# Altium PCB GZ7_1_x.PcbDoc (part 2 of 2)
Units mm, origin at the board's own origin, x right, y up, seen from the top; angles counter-clockwise.
Board outline 200 x 97.49 mm, 2 copper layers (Top Layer, Bottom Layer); 179 components, 149 nets, 560 pads, 111 vias.
Unrouted connection lines stored in the file: 122.
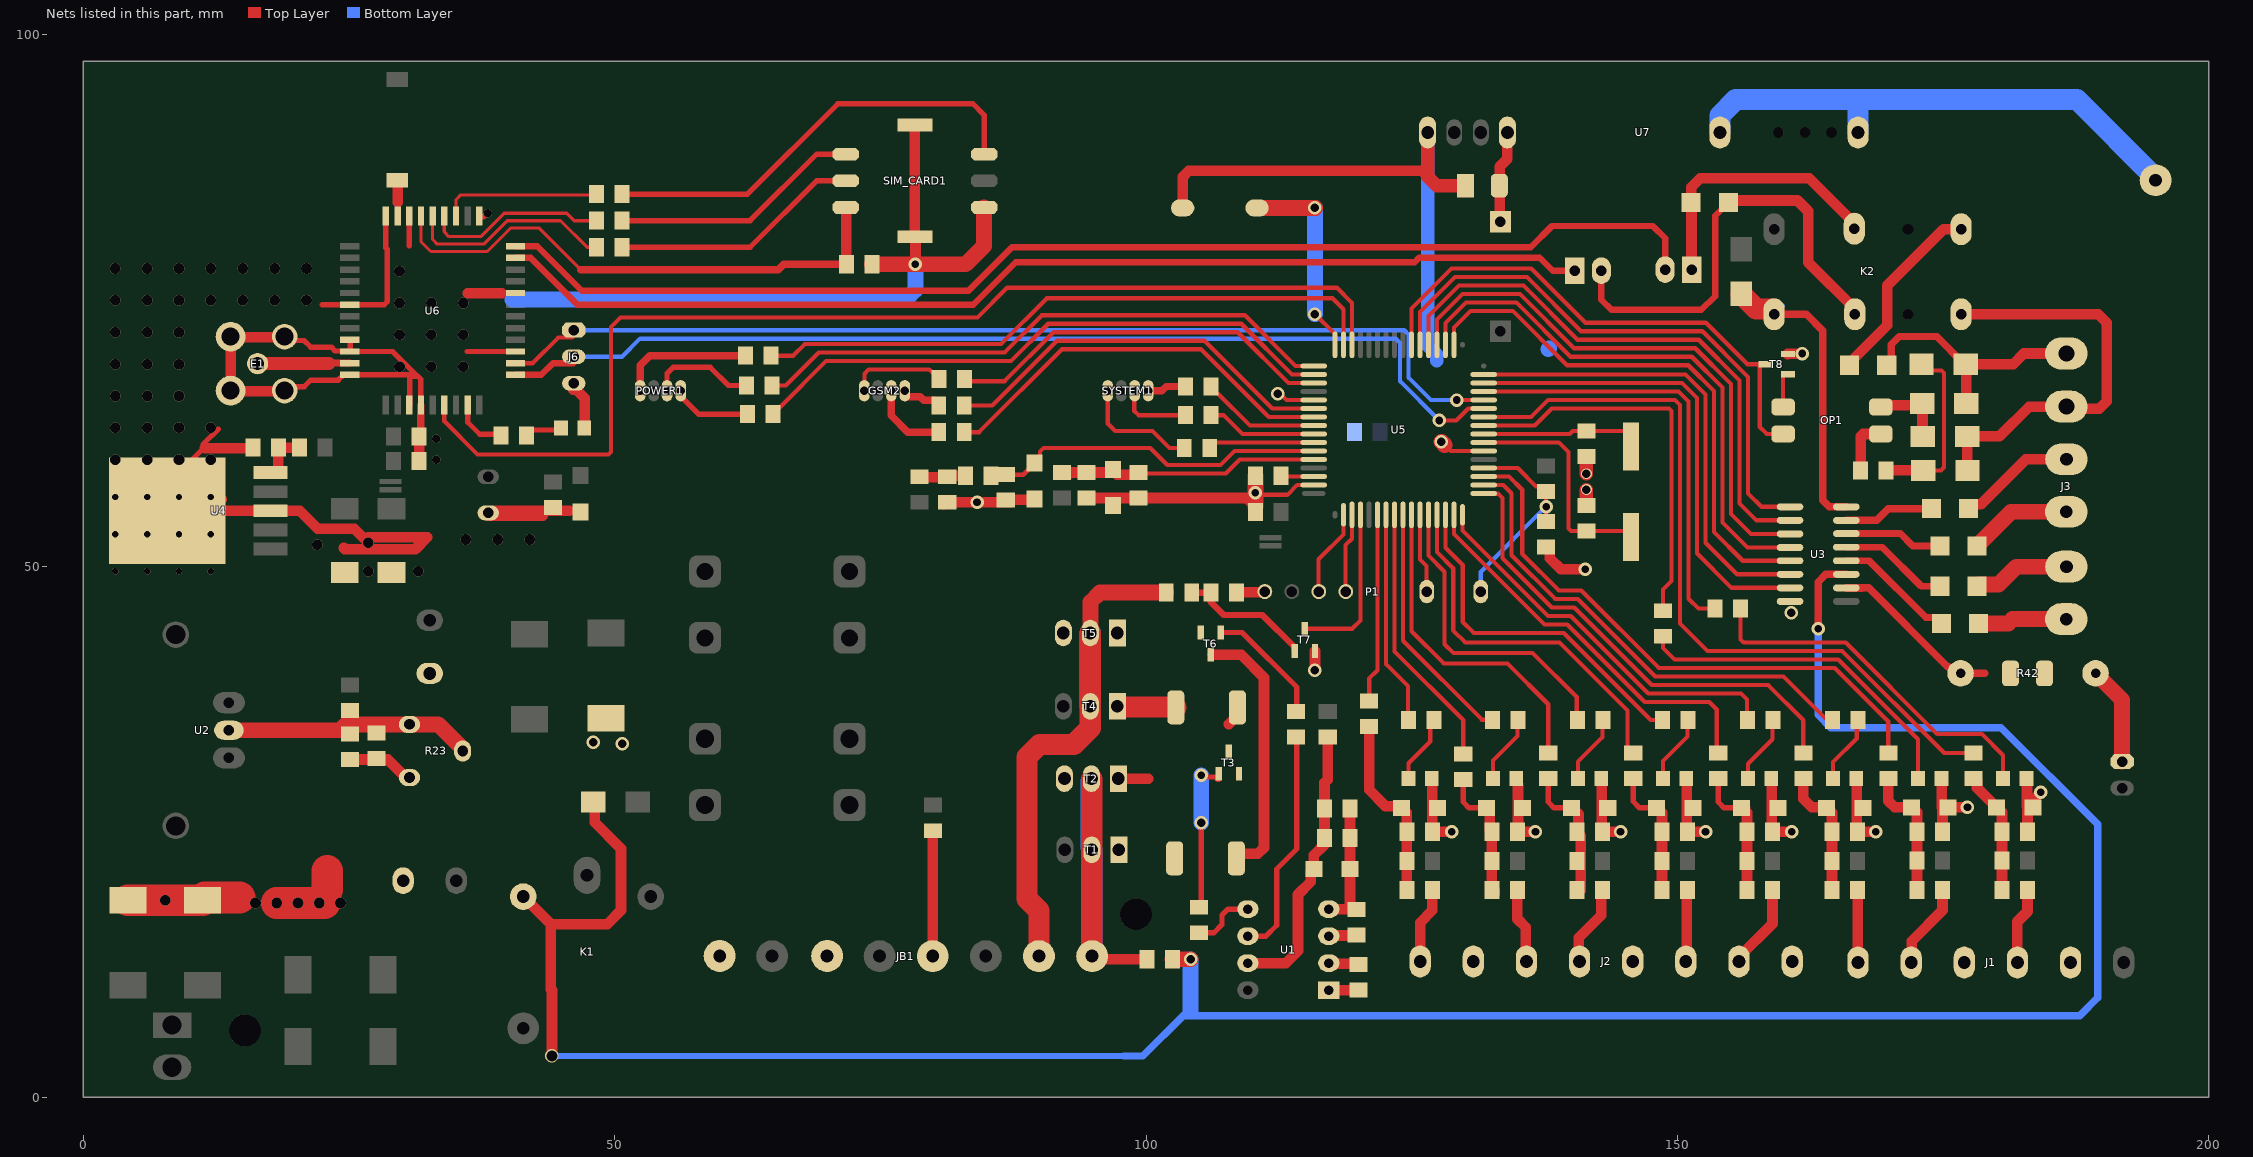
[diagram p2: the nets of this part, all layers, seen from the top]

## Via types
v1: diameter 1, hole 1, Top Layer to Bottom Layer, 43 vias
v2: diameter 1.27, hole 0.711, Top Layer to Bottom Layer, 26 vias
v3: diameter 0.6, hole 0.6, Top Layer to Bottom Layer, 12 vias
v4: diameter 1.27, hole 0.8, Top Layer to Bottom Layer, 10 vias
v5: diameter 1, hole 1, Top Layer to Bottom Layer, tented bottom, 9 vias
v6: diameter 0.8, hole 0.8, Top Layer to Bottom Layer, 3 vias
v7: diameter 1, hole 1, Top Layer to Bottom Layer, tented both sides, 2 vias
v8: diameter 1, hole 0.8, Top Layer to Bottom Layer, 2 vias
v9: diameter 1.27, hole 1, Top Layer to Bottom Layer, 2 vias
v10: diameter 1, hole 1, Top Layer to Bottom Layer, tented top, 2 vias

## Nets (pads, with @x,y where several pads share a name; then routed paths per layer and width w, separated by ;. In a path a pad name is that pad's centre, name@x,y a point inside that pad or via, vN(x,y) a via of type N, cw(c..) or ccw(c..) an arc to the next point about the centre after c; other vN are vias at no path point) (continued)
Fuz: C23.2 D18.2 R53.1 R54.2 U5.60 | length 24.5
  Top Layer w0.4: R53.1@92.163,58.732 R53.1@92.25,58.82 ; D18.2@96.9,59.695 97.3,59.695 D18.2@97.3,58.6 ; C23.2@99.3,58.795 99.4,58.695 107.5,58.695 108.825,60.02 U5.60@115.78,60.02
  Top Layer w1: R53.1@92.825,58.675 92.825,58.8 D18.2@97.2,58.8 ; D18.2@97.3,58.6 C23.2@98.65,58.6
GND: C1.1 C2.2 C3.1 C4.1 C5.1 C6.1 C7.1 C8.1 C9.1 C10.1 C11.1 C12.1 C13.1 C14.2 C15.2 C16.2 C17.2 C18.2 C19.2 C20.2 C21.2 C22.1 C23.1 C24.2 C25.2 C26.2 C27.2 C30.1 C31.2 C32.2 D3.1 D4.1 D5.1 D6.1 D7.1 D8.1 D9.1 D10.1 D11.1 D12.1 D13.1 D16.1 D17.1 D18.1 D19.1 E1.2 E1.3 E1.4 E1.5 GSM1.2 J1.3 J1.5 J2.2 J2.5 J2.8 J6.3 JB1.1 JB1.3 JB1.5 P1.7 R21.1 R23.3 R30.1 R47.2 R52.1 R54.1 R59.1 SIM_CARD1.4 SIM_CARD1.9 SIM_CARD1.10 SW1.1 T2.3 T5.3 T7.2 T8.2 U1.4 U3.8 U4.0 U4.3 U5.22 U5.53 U5.63 U6.3 U6.8 U6.13 U6.19 U6.21 U6.27 U6.30 U6.31 U6.33 U6.36 U6.37 U7.9 Z1.2 Z2.2 Z3.2 Z4.2 Z5.2 Z6.2 Z7.2 Z8.2 | length 431
  Top Layer w0.4: v2(110.3,56.895) 110.466,56.728 110.936,56.728 110.969,56.695 113.3,56.695 114.225,57.62 U5.63@115.78,57.62 ; v4(112.4,66.195) 112.635,66.195 113.21,65.62 U5.53@115.78,65.62 ; 128.68,60.82 U5.22@131.78,60.82
  Top Layer w0.5: U4.0@7.18,56.295 7.18,57.37 7.612,57.37 11.287,61.045 11.287,61.477 12.705,62.895 ; U4.0@7.405,57.045 U4.0@7.671,57.311 ; R59.1@15.68,61.145 R59.1@15.955,61.145 ; E1.3@18.945,66.505 19.309,66.869 20.779,66.869 21.405,67.495 23.979,67.495 24.475,67.991 U6.33@25.075,67.991 25.079,67.995 31.305,67.995 29.109,70.191 U6.31@25.075,70.191 ; E1.4@18.945,71.585 19.309,71.221 20.779,71.221 21.405,70.595 23.35,70.595 23.704,70.241 25.025,70.241 U6.31@25.075,70.191 ; 22.48,74.595 22.48,74.591 U6.27@25.075,74.591 28.317,74.591 28.61,74.884 28.61,79.795 28.475,79.93 U6.21@28.475,82.941 ; U6.30@25.075,71.291 25.175,71.291 25.125,71.241 25.125,70.241 U6.31@25.075,70.191 ; U6.36@30.662,65.081 30.722,65.14 30.722,67.864 31.476,67.864 31.769,67.571 U6.37@31.769,65.141 ; 30.673,80.135 U6.19@30.673,82.85 ; 36.13,70.185 U6.3@40.802,70.185 ; U6.13@37.373,82.85 37.654,82.85 37.999,83.195 v6(38.08,83.195) ; 39.405,75.691 U6.8@40.675,75.691
  Top Layer w0.7: C27.2@31.769,62.485 U6.37@31.769,65.141
  Top Layer w1: U4.0@7.18,56.295 U4.0@13.005,56.295 ; U4.0@7.705,52.795 U4.0@12.005,52.795 ; 11.455,61.095 R59.1@15.818,61.095 ; v3(12.005,52.995) U4.0@12.005,53.667 ; 13.533,55.195 20.372,55.195 22.072,53.495 25.505,53.495 v10(26.805,52.195) ; R59.1@15.655,61.12 R59.1@15.68,61.145 ; E1.3@18.945,66.455 13.865,66.455 13.865,71.535 E1.4@18.945,71.535 ; 24.505,51.695 cw(c24.505,51.595) 24.605,51.595 31.255,51.595 32.355,52.695 v10@26.805,52.695 ; C13.1@25.1,31.795 28.638,31.795 30.338,30.095 R23.3@30.7,30.095 ; C25.2@31.605,59.895 C27.2@31.605,62.195 ; 36.179,75.669 39.383,75.669 ; C19.2@38.105,54.72 43.23,54.72 ; C19.2@38.105,54.995 38.513,54.995 38.709,55.191 45.725,55.191 ; J6.3@46.1,66.59 46.105,66.595 46.397,66.595 47.191,65.801 GSM1.2@47.191,62.995 ; SIM_CARD1.10@78.255,91.495 SIM_CARD1.9@78.255,80.995 78.305,80.945 v2@78.305,78.595 ; JB1.5@79.93,13.295 R21.1@79.93,24.645 ; R52.1@80.95,55.795 R52.1@81.15,55.995 ; R52.1@81.3,55.995 87.25,55.995 87.5,56.245 89.45,56.245 D19.1@89.5,56.295 ; R54.1@94.4,56.395 C23.1@98.75,56.395 ; C23.1@99.3,56.395 109.505,56.395 C20.2@110.3,55.6 ; SW1.1@103.45,83.695 103.45,86.609 104.036,87.195 125.95,87.195 126.505,86.64 ; R47.2@108.5,47.495 108.55,47.545 111.13,47.545 P1.7@111.18,47.595 ; v4(115.9,40.195) T7.2@115.9,41.995 ; U1.4@117.2,17.715 117.21,17.705 119,17.705 119.2,17.905 D5.1@119.2,21.495 C12.1@119.2,26.695 ; Z1.2@126.891,29.995 126.921,29.965 126.921,25.024 C6.1@126.95,24.995 v2(128.75,24.995) ; Z2.2@134.791,29.695 134.791,29.645 135,29.436 C7.1@135,24.995 ; Z2.2@134.791,29.995 Z2.2@134.796,29.999 ; C7.1@134.946,24.99 C7.1@134.95,24.995 ; C7.1@135,24.795 135,24.845 135.15,24.995 v2(136.65,24.995) ; C17.2@137.65,51.795 137.8,51.795 138,51.595 138,50.745 139.05,49.695 v2(141.35,49.695) ; Z3.2@142.841,29.995 142.896,29.94 142.896,25.049 C8.1@142.95,24.995 v2(144.65,24.995) ; Z4.2@150.841,29.995 150.896,29.94 150.896,25.049 C9.1@150.95,24.995 v2(152.65,24.995) ; Z5.2@158.841,29.995 158.896,29.94 158.896,25.049 C10.1@158.95,24.995 v2(160.75,24.995) ; T8.2@160.4,69.945 160.425,69.97 161.725,69.97 v2(161.75,69.995) ; Z6.2@166.841,29.995 166.896,29.94 166.896,25.049 C11.1@166.95,24.995 v2(168.65,24.995) ; Z7.2@174.841,29.995 174.896,29.94 D12.1@174.896,27.3 ; C4.1@174.95,24.995 D12.1@174.95,27.3 ; D12.1@175.15,27.3 175.153,27.297 177.297,27.297 v2(177.3,27.3) ; Z8.2@182.841,29.995 182.896,29.94 D13.1@182.896,27.45 ; C5.1@182.95,24.995 182.95,27.45 v2(184.2,28.7)
  Top Layer w1.27: U7.9@126.505,90.795 126.505,86.64 127.35,85.795 C31.2@129.305,85.795 ; C18.2@141.45,55.695 v8(141.45,57.2) ; v8(141.45,58.695) C26.2@141.45,60.295
  Top Layer w1.3: v2@78.248,78.395 78.248,78.538 v2@78.305,78.595
  Top Layer w1.5: C30.1@74.205,78.395 78.248,78.395 83.03,78.395 84.765,80.13 SIM_CARD1.4@84.765,83.745 ; C20.2@110.3,55.6 v2(110.3,56.895) 110.305,56.9 C24.2@110.305,58.495 ; v4(127.805,61.695) 128.105,61.395 v4@128.105,61.37
  Top Layer w2: D3.1@3.955,18.545 D3.1@4.205,18.545
  Top Layer w3: D3.1@4.205,18.545 D4.1@11.205,18.545 11.455,18.795 14.705,18.795 ; v1(18.205,18.295) v1(20.205,18.295) v1(22.205,18.295) 22.705,18.295 ; 22.955,19.545 22.955,21.295
  Bottom Layer w1.27: U7.9@126.505,90.795 126.505,70.74 127.35,69.895 127.35,69.295
  Bottom Layer w1.5: 40.4,75.095 77.421,75.095 78.3,75.974 v2(78.3,78.395) ; 137.85,70.395 137.905,70.45
  other v1: 16.205,18.295 24.205,18.295 7.705,18.545 31.505,49.495 22.005,51.995 36.005,52.495 39.005,52.495 42.005,52.495 3.005,59.995 6.005,59.995 9.005,59.995 12.005,59.995 3.005,62.995 6.005,62.995 9.005,62.995 12.005,62.995 29.755,68.745 32.755,68.745 35.755,68.745 29.755,71.745 32.755,71.745 35.755,71.745 29.755,74.745 32.755,74.745 35.755,74.745 3.005,74.995 6.005,74.995 9.005,74.995 12.005,74.995 15.005,74.995 18.005,74.995 21.005,74.995 29.755,77.745 3.005,77.995 6.005,77.995 9.005,77.995 12.005,77.995 15.005,77.995 18.005,77.995 21.005,77.995
  other v2: 84.1,55.995
  other v3: 3.005,49.495 6.005,49.495 9.005,49.495 12.005,49.495 3.005,52.995 6.005,52.995 9.005,52.995 3.005,56.495 6.005,56.495 9.005,56.495 12.005,56.495
  other v4: 50.7,33.295 48,33.395 160.7,45.595
  other v5: 3.005,65.995 6.005,65.995 9.005,65.995 3.005,68.995 6.005,68.995 9.005,68.995 3.005,71.995 6.005,71.995 9.005,71.995
  other v6: 33.2,59.995 33.2,61.995
  other v10: 26.805,49.495
IN-Z1: J2.1 R4.1 | length 7.2
  Top Layer w1: J2.1@125.8,12.795 125.8,16.445 126.95,17.595 R4.1@126.95,19.495
IN-Z2: J2.3 R5.1 | length 7.3
  Top Layer w1: R5.1@134.95,19.495 134.95,16.781 135.736,15.995 J2.3@135.736,12.489
IN-Z3: J2.4 R6.1 | length 7.9
  Top Layer w1: J2.4@140.736,12.489 140.736,15.031 142.85,17.145 142.85,19.395 R6.1@142.95,19.495
IN-Z4: J2.6 R7.1 | length 7.1
  Top Layer w1: J2.6@150.736,12.489 J2.6@150.736,12.795 ; J2.6@150.8,12.795 150.875,12.87 150.875,19.42 R7.1@150.95,19.495
IN-Z5: J2.7 R8.1 | length 8.3
  Top Layer w1: J2.7@155.736,12.489 155.736,13.131 158.95,16.345 R8.1@158.95,19.495
IN-Z6: J1.1 R9.1 | length 6.8
  Top Layer w1: R9.1@166.95,19.495 166.975,19.47 166.975,12.72 J1.1@167,12.695
IN-Z7: J1.2 R10.1 | length 8
  Top Layer w1: J1.2@172,12.695 172.05,12.745 172.05,14.695 174.95,17.595 R10.1@174.95,19.495
IN-Z8: J1.4 R11.1 | length 7.2
  Top Layer w1: J1.4@182,12.695 182,16.545 182.95,17.495 R11.1@182.95,19.495
LED_GSM_BLUE: R65.2 U5.54 | length 38
  Top Layer w0.4: R65.2@82.9,65.095 85.531,65.095 91.631,71.195 105.5,71.195 111.875,64.82 U5.54@115.78,64.82
LED_GSM_GREEN: R62.2 U5.55 | length 38.8
  Top Layer w0.4: R62.2@82.825,62.32 R62.2@82.9,62.32 ; R62.2@82.9,62.595 84.3,62.595 92.1,70.395 105.169,70.395 111.544,64.02 U5.55@115.78,64.02
LED_GSM_RED: R68.2 U5.51 | length 36.8
  Top Layer w0.4: R68.2@82.88,67.395 86.7,67.395 91.3,71.995 108.629,71.995 113.404,67.22 U5.51@115.78,67.22
LED_POWER_BLUE: R64.2 U5.50 | length 56.5
  Top Layer w0.4: R64.2@64.9,64.295 64.9,64.445 65.4,64.945 65.55,64.945 69.9,69.295 87.3,69.295 90.8,72.795 108.969,72.795 113.744,68.02 U5.50@115.78,68.02
LED_POWER_GREEN: R67.2 U5.49 | length 55.7
  Top Layer w0.4: R67.2@64.8,66.995 66.105,66.995 69.205,70.095 86.7,70.095 90.2,73.595 109.3,73.595 114.075,68.82 U5.49@115.78,68.82
LED_POWER_RED: R70.2 U5.47 | length 59.9
  Top Layer w0.4: R70.2@64.7,69.795 66.8,69.795 67.9,70.895 86.369,70.895 90.669,75.195 117.55,75.195 118.58,74.165 U5.47@118.58,70.82
LED_SYSTEM_BLUE: R66.2 U5.56 | length 11.3
  Top Layer w0.4: R66.2@106.1,66.895 106.1,66.745 106.6,66.245 106.75,66.245 109.775,63.22 111.375,63.22 U5.56@115.78,63.22
LED_SYSTEM_GREEN: R63.2 U5.57 | length 10.5
  Top Layer w0.4: R63.2@105.9,63.695 R63.2@105.966,63.761 ; R63.2@106.1,64.195 107.3,64.195 109.075,62.42 U5.57@115.78,62.42
LED_SYSTEM_RED: R58.2 U5.58 | length 10
  Top Layer w0.4: R58.2@106,61.095 106,61.12 106.5,61.62 U5.58@115.78,61.62
LED_Z1: R34.2 U5.7 | length 20.7
  Top Layer w0.4: U5.7@122.58,54.82 122.58,40.765 124.65,38.695 R34.2@124.65,34.995
LED_Z2: R35.2 U5.9 | length 23.7
  Top Layer w0.4: U5.9@124.18,54.82 124.18,42.965 131.601,35.544 132.05,35.544 132.55,35.044 R35.2@132.55,34.895
LED_Z3: R36.2 U5.12 | length 30.1
  Top Layer w0.4: U5.12@126.58,54.82 126.58,50.984 128.1,49.464 128.1,42.645 128.925,41.82 136.38,41.82 140.534,37.666 R36.2@140.534,34.911
LED_Z4: R37.2 U5.14 | length 33.4
  Top Layer w0.4: U5.14@128.18,54.82 128.18,51.715 129.8,50.095 129.8,44.745 130.85,43.695 139.305,43.695 147.5,35.5 R37.2@148.6,35.5
LED_Z5: R38.2 U5.16 | length 37.3
  Top Layer w0.4: U5.16@129.78,54.82 129.78,53.346 137.831,45.295 139.968,45.295 147.263,38 156,38 156.55,37.45 R38.2@156.55,34.995
LED_Z6: R39.2 U5.18 | length 45.5
  Top Layer w0.4: U5.18@131.78,57.62 133.621,57.62 134.4,56.841 134.4,51.014 138.519,46.895 140.631,46.895 147.925,39.6 159.995,39.6 R39.2@164.55,35.045
LED_Z7: R43.2 U5.25 | length 37.6
  Top Layer w0.4: U5.25@131.78,63.22 136.575,63.22 138.175,64.82 149.216,64.82 149.45,64.586 149.45,48.595 148.65,47.795 R43.2@148.65,45.795
LED_Z8: R45.2 U5.29 | length 41.1
  Top Layer w0.4: U5.29@131.78,66.42 138.944,66.42 150.105,66.42 151.05,65.475 151.05,46.926 151.981,45.995 R45.2@153.55,45.995
MISO: P1.5 U5.2 | length 8.2
  Top Layer w0.4: P1.5@116.24,47.595 116.24,50.63 118.58,52.97 U5.2@118.58,54.82
MOSI: P1.4 U5.3 | length 7.5
  Top Layer w0.4: P1.4@118.78,47.595 118.78,51.97 119.38,52.57 U5.3@119.38,54.82
NetANT1_1: ANT1.1 U7.1 U7.5 | length 49.7
  Bottom Layer w2: U7.5@154.005,90.795 154.005,92.4 155.5,93.895 167.2,93.895 ; U7.1@167.005,90.795 167.005,93.7 167.2,93.895 ; ANT1.1@195,86.295 195,86.495 187.6,93.895 167.2,93.895
NetC1_2: C13.2 R23.1 R23.2 R30.2 R41.1 U2.2 | length 23.4
  Top Layer w1.5: U2.2@13.705,34.545 19.455,34.545 22.205,34.545 24.2,34.545 24.75,35.095 R23.1@30.7,35.095 33.4,35.095 35.7,32.795 R23.2@35.7,32.595
NetC10_2: C30.2 SIM_CARD1.1 U6.18 | length 50.8
  Top Layer w0.3: U6.18@31.769,82.85 31.769,80.541 32.715,79.595 38,79.595 40.2,81.795 42.9,81.795 46.8,77.895
  Top Layer w0.7: 46.8,77.895 65.405,77.895 65.905,78.395 C30.2@71.805,78.395 ; SIM_CARD1.1@71.765,83.745 SIM_CARD1.1@71.785,83.725
  Top Layer w1: C30.2@71.785,78.395 SIM_CARD1.1@71.785,83.725
NetC14_2: C6.2 D6.2 R4.2 R13.2 R33.2 | length 17
  Top Layer w1: R33.2@121,34.895 121,28.945 122.539,27.406 123.889,27.406 D6.2@124.05,27.245 ; R4.2@124.55,19.495 R13.2@124.55,22.245 C6.2@124.55,24.995 D6.2@124.55,26.795
NetC15_1: C31.1 L1.2 U7.6 | length 8.7
  Top Layer w1: L1.2@133.35,82.4 133.3,82.45 133.3,85.745 C31.1@133.25,85.795 133.271,85.816 133.271,87.561 134.005,88.295 U7.6@134.005,90.795
NetC16_2: C7.2 D7.2 R5.2 R14.2 R22.2 | length 13.1
  Top Layer w0.5: R22.2@130.33,29.445 129.88,29.895 R22.2@129.85,29.895 129.85,27.795 130.4,27.245 D7.2@132.05,27.245
  Top Layer w1: D7.2@132.35,26.995 132.35,25.195 C7.2@132.55,24.995 R14.2@132.55,22.245 R5.2@132.55,19.495 ; R5.2@132.8,19.195 R5.2@132.8,19.495
NetC17_2: C8.2 D8.2 R6.2 R15.2 R24.2 | length 12.2
  Top Layer w0.5: R24.2@137.85,29.995 137.85,27.795 138.4,27.245 D8.2@140.05,27.245
  Top Layer w1: D8.2@140.5,26.859 140.7,26.659 140.7,24.795 140.9,24.595 R6.2@140.9,19.495
NetC18_1: C26.1 U5.24 Y1.2 | length 14.2
  Top Layer w0.4: U5.24@131.78,62.42 139.875,62.42 140.15,62.695 145.15,62.695 Y1.2@145.65,62.195
NetC20_1: C18.1 U5.23 Y1.1 | length 21.8
  Top Layer w0.4: U5.23@131.78,61.62 138.85,61.62 139.75,60.72 139.75,53.529 139.984,53.295 145.1,53.295 Y1.1@145.65,52.745
NetC21_2: C9.2 D9.2 R7.2 R16.2 R25.2 | length 12.6
  Top Layer w0.5: R25.2@145.85,29.995 145.85,27.845 146.45,27.245 D9.2@148.05,27.245
  Top Layer w1: D9.2@148.05,27.245 148.1,27.245 148.55,26.795 C9.2@148.55,24.995 R16.2@148.55,22.245 R7.2@148.55,19.495
NetC23_1: C24.1 U5.62 | length 3.1
  Top Layer w0.4: C24.1@112.705,58.495 112.78,58.42 U5.62@115.78,58.42
NetC24_2: C3.2 C12.2 D5.2 R32.1 U1.7 | length 26.5
  Top Layer w1: U1.7@109.58,12.635 113.14,12.635 114.3,13.795 114.3,19.095 115.5,20.295 115.5,21.245 115.75,21.495 D5.2@115.8,21.495 115.8,22.795 116.8,23.795 C3.2@116.8,24.395 116.8,26.695 116.8,29.595 117.1,29.895 R32.1@117.1,33.895
NetC26_2: C1.2 U1.3 | length 2.6
  Top Layer w1: U1.3@117.2,15.175 117.26,15.235 C1.2@119.8,15.235
NetC27_2: C10.2 D10.2 R8.2 R17.2 R26.2 | length 12.6
  Top Layer w0.5: R26.2@153.85,29.995 153.85,27.795 154.4,27.245 D10.2@156.05,27.245
  Top Layer w1: D10.2@156.05,27.245 156.1,27.245 156.55,26.795 C10.2@156.55,24.995 R17.2@156.55,22.245 R8.2@156.55,19.495
NetC28_2: C11.2 D11.2 R9.2 R18.2 R27.2 | length 11.8
  Top Layer w1: R27.2@161.85,29.995 161.85,28.095 162.65,27.295 164,27.295 D11.2@164.05,27.245 ; R9.2@164.55,19.495 R18.2@164.55,22.245 C11.2@164.55,24.995 D11.2@164.55,26.795
NetC29_2: C28.2 K2.1 R73.2 | length 43.2
  Top Layer w0.6: C28.2@142.85,77.795 142.85,75.05 143.8,74.1 152.255,74.1 153.55,75.395 153.55,82.945 R73.2@154.8,84.195
  Top Layer w1: R73.2@154.8,84.195 155.005,84.4 161.3,84.4 162.3,83.4 162.3,78.595 166.7,74.195 K2.1@166.7,73.695
NetC30_1: C29.1 K2.4 R73.1 | length 28.6
  Top Layer w0.4: C29.1@151.35,77.895 151.35,80.745
  Top Layer w1: C29.1@151.35,77.895 151.325,77.92 151.325,84.17 R73.1@151.3,84.195 151.3,85.645 152.155,86.5 162.399,86.5 166.656,82.243 K2.4@166.656,81.743
NetC31_2: C4.2 D12.2 R10.2 R19.2 R28.2 | length 11.9
  Top Layer w1: R28.2@169.85,29.995 169.85,27.895 170.45,27.295 D12.2@172.05,27.295 ; R10.2@172.55,19.495 R19.2@172.55,22.295 C4.2@172.55,24.995 D12.2@172.55,26.845
NetC32_2: C5.2 D13.2 R11.2 R20.2 R29.2 | length 11.1
  Top Layer w1: R29.2@177.85,29.995 178,29.995 178.2,29.795 178.2,29.145 179.75,27.595 179.75,27.545 180,27.295 D13.2@180.05,27.295 ; R11.2@180.55,19.495 R20.2@180.55,22.295 C5.2@180.55,24.995 D13.2@180.55,26.845
NetD20_1: D21.1 D22.1 OP1.2 | length 7.8
  Top Layer w0.4: OP1.2@169.15,64.965 OP1.2@169.627,64.488
  Top Layer w1: OP1.2@169.15,64.965 169.315,65.13 172.86,65.13 D22.1@173.025,65.295 173.063,65.257 173.063,62.232 D21.1@173.1,62.195
NetD22_2: D20.2 D23.2 R57.1 | length 16.6
  Top Layer w0.4: D23.2@173.025,68.395 174.866,68.395 175.1,68.161 175.1,59.295 174.8,58.995 D20.2@173.125,58.995
  Top Layer w1: R57.1@169.65,58.995 D20.2@173.125,58.995
NetE1_1: E1.1 U6.32 | length 8.5
  Top Layer w0.65: 23.324,69.091 U6.32@25.075,69.091
  Top Layer w1.2: E1.1@16.405,69.045 23.132,69.045
NetE2_1: E2.1 U6.20 | length 2.1
  Top Layer w1: 29.575,84.22 E2.1@29.575,86.295
NetGSM2_1: GSM1.1 R61.1 | length 3.9
  Top Layer w0.5: R61.1@41.705,62.295 41.705,62.345 42.155,62.795 GSM1.1@45.365,62.795
NetGSM_1: GSM2.1 R68.1 | length 9.2
  Top Layer w0.4: GSM2.1@73.5,66.495 73.5,68.095 73.9,68.495 79.605,68.495 79.855,68.245 80.005,68.245 80.505,67.745 R68.1@80.505,67.595
NetGSM_3: GSM2.3 R62.1 | length 7.4
  Top Layer w0.7: GSM2.3@76.032,66.495 76.032,64.163 77.6,62.595 R62.1@80.5,62.595
NetGSM_4: GSM2.4 R65.1 | length 4.1
  Top Layer w0.7: GSM2.4@77.31,66.495 77.31,66.076 77.449,65.938 78.757,65.938 79.1,65.595 80.15,65.595 80.5,65.245 R65.1@80.5,65.095
NetJ4_1: J3.1 R44.2 | length 8.4
  Top Layer w1.5: R44.2@178.35,44.595 181.15,44.595 181.55,44.995 J3.1@186.55,44.995
NetJ4_2: J3.2 R48.2 | length 9.3
  Top Layer w1.5: R48.2@178.35,47.945 R48.2@178.2,48.095 178.35,48.245 180.2,48.245 181.888,49.933 J3.2@186.562,49.933
NetJ4_3: J3.3 R49.2 | length 9.7
  Top Layer w1.5: R49.2@178.2,51.895 181.412,55.107 J3.3@186.55,55.107
NetJ4_4: J3.4 R50.2 | length 11.1
  Top Layer w1: R50.2@177.4,55.395 177.8,55.795 178.55,55.795 182.8,60.045 J3.4@186.562,60.045
NetK2_5: K2.5 R69.2 | length 17.9
  Top Layer w0.4: R69.2@166.2,69.095 R69.2@166.503,69.397
  Top Layer w1: R69.2@166.503,69.397 169.75,72.645 169.75,76.395 175.05,81.695 K2.5@176.7,81.695
NetOP1_1: OP1.1 R57.2 | length 5.4
  Top Layer w0.4: R57.2@167.08,59.165 R57.2@167.25,58.995
  Top Layer w1: R57.2@167.25,58.995 167.25,62.195 167.48,62.425 OP1.1@169.15,62.425
NetOP1_3: OP1.3 T8.1 | length 3.5
  Top Layer w0.4: OP1.3@159.95,64.965 159.95,67.945 160.05,68.045 T8.1@160.4,68.045
NetPOWER_1: POWER1.1 R70.1 | length 12.7
  Top Layer w0.7: POWER1.1@52.4,66.495 52.4,68.895 53.3,69.795 R70.1@62.3,69.795
NetPOWER_3: POWER1.3 R67.1 | length 10.4
  Top Layer w0.5: POWER1.3@54.932,66.495 54.932,68.127 55.5,68.695 59,68.695 60.7,66.995 R67.1@62.4,66.995 R67.1@62.802,66.995
NetPOWER_4: POWER1.4 R64.1 | length 7.8
  Top Layer w0.5: POWER1.4@56.21,66.495 56.21,65.995 57.91,64.295 R64.1@62.5,64.295 ; R64.1@62.5,64.395 R64.1@62.848,64.395
NetR1_2: R59.2 R60.1 U4.5 | length 5.1
  Top Layer w1: U4.5@17.547,58.795 18.355,58.795 R59.2@18.355,61.145 R60.1@20.33,61.145
NetR6_2: R61.2 U6.41 | length 5.2
  Top Layer w0.5: U6.41@36.175,65.141 36.175,63.525 37.305,62.395 R61.2@39.305,62.395
NetR7_1: R71.1 SIM_CARD1.2 | length 23.6
  Top Layer w0.5: R71.1@50.705,79.995 62.755,79.995 69.005,86.245 SIM_CARD1.2@71.765,86.245
NetR7_2: R71.2 U6.17 | length 20.1
  Top Layer w0.3: U6.17@32.864,82.85 32.864,80.736 33.305,80.295 37.7,80.295 39.9,82.495 44.905,82.495 47.405,79.995 R71.2@48.305,79.995 ; R71.2@48.246,79.795 R71.2@48.555,79.486
NetR8_1: R72.1 SIM_CARD1.3 | length 23.6
  Top Layer w0.5: R72.1@50.705,82.495 62.755,82.495 69.005,88.745 SIM_CARD1.3@71.765,88.745
NetR8_2: R72.2 U6.16 | length 17.1
  Top Layer w0.3: U6.16@33.96,82.85 33.96,81.435 34.4,80.995 37.41,80.995 39.61,83.195 45.5,83.195 46.2,82.495 R72.2@48.305,82.495
NetR9_1: R74.1 SIM_CARD1.6 | length 41.7
  Top Layer w0.5: R74.1@50.705,84.995 62.505,84.995 71.005,93.495 83.705,93.495 84.765,92.435 SIM_CARD1.6@84.765,88.745
NetR9_2: R74.2 U6.15 | length 15
  Top Layer w0.3: U6.15@35.075,82.941 35.075,84.47 35.526,84.921 48.231,84.921 R74.2@48.305,84.995
NetR17_2: R51.2 R52.2 R56.1 | length 4.4
  Top Layer w1: R51.2@78.7,58.295 78.75,58.345 80.6,58.345 80.75,58.495 R56.1@83,58.495
NetR22_1: R36.1 Z3.1 | length 5.9
  Top Layer w0.4: Z3.1@140.648,29.995 140.648,31.593 142.95,33.895 R36.1@142.95,34.895
NetR23_1: R34.1 Z1.1 | length 6
  Top Layer w0.4: Z1.1@124.698,29.995 124.698,31.443 126.75,33.495 126.75,34.695 R34.1@127.05,34.995
NetR24_1: R40.1 T3.3 | length 1.9
  Top Layer w1: 107.8,35.095 108.6,35.895 R40.1@108.6,36.695
NetR24_2: R40.2 T4.1 | length 5.1
  Top Layer w2: T4.1@97.7,36.745 102.75,36.745 R40.2@102.8,36.695
NetR26_1: R35.1 Z2.1 | length 5.9
  Top Layer w0.4: Z2.1@132.648,29.995 132.648,31.693 134.95,33.995 R35.1@134.95,34.895
NetR27_1: R37.1 Z4.1 | length 5.9
  Top Layer w0.4: Z4.1@148.648,29.995 148.648,31.648 150.95,33.95 R37.1@150.95,34.895
NetR28_1: R66.1 SYSTEM1.4 | length 3.7
  Top Layer w0.7: SYSTEM1.4@100.21,66.495 101.5,66.495 101.9,66.895 R66.1@103.7,66.895
NetR29_1: R63.1 SYSTEM1.3 | length 6.9
  Top Layer w0.4: SYSTEM1.3@98.932,66.495 98.9,66.463 98.9,64.595 99.3,64.195 R63.1@103.7,64.195
NetR30_1: R58.1 SYSTEM1.1 | length 11.5
  Top Layer w0.4: SYSTEM1.1@96.4,66.495 96.4,63.395 97.1,62.695 100.6,62.695 102.2,61.095 R58.1@103.6,61.095 ; R58.1@103.6,60.895 R58.1@103.843,60.895
NetR31_1: R12.1 T6.3 | length 24.8
  Top Layer w1: T6.3@106.3,41.645 108.95,41.645 111.1,39.495 111.1,23.495 110.514,22.909 108.8,22.909 108.5,22.609 R12.1@108.5,22.495
NetR31_2: R12.2 T1.1
NetR32_2: R46.2 R47.1 T7.1 | length 11.9
  Top Layer w0.6: R46.2@104.3,47.495 R47.1@106.1,47.495 ; 106.069,46.626 107.3,45.395 110.95,45.395 114,42.345 T7.1@114,41.995
NetR34_1: R31.1 T6.1 | length 11.6
  Top Layer w0.5: T6.1@107.05,43.745 109.05,43.745 114.2,38.595 R31.1@114.2,36.295
NetR34_2: R31.2 U1.6 | length 21.6
  Top Layer w0.5: U1.6@109.58,15.175 111.28,15.175 112.3,16.195 112.3,21.495 114.2,23.395 R31.2@114.2,33.895
NetR37_1: R3.1 U1.5 | length 6.6
  Top Layer w0.5: R3.1@105.4,15.895 R3.1@105,15.495 106.4,15.495 107.16,16.255 107.16,17.155 107.72,17.715 U1.5@109.58,17.715
NetR37_2: R3.2 T3.1 | length 14.3
  Top Layer w0.5: R3.2@105,17.895 105.2,18.095 v4(105.2,25.86) ; v2(105.2,30.295) 105.347,30.148 106.556,30.148 106.758,29.945 T3.1@106.85,29.945
  Bottom Layer w1.5: v4(105.2,25.86) v2(105.2,30.295)
NetR47_1: R48.1 U3.13 | length 10.3
  Top Layer w0.65: U3.13@165.9,51.77 169.275,51.77 172.95,48.095 R48.1@174.7,48.095
NetR48_1: R49.1 U3.14 | length 9.5
  Top Layer w0.65: U3.14@165.9,53.045 171,53.045 172.15,51.895 R49.1@174.7,51.895 R49.1@174.575,51.77
NetR49_1: R44.1 U3.12 | length 11.4
  Top Layer w0.65: U3.12@165.9,50.495 168.05,50.495 173.375,45.17 174.275,45.17 R44.1@174.85,44.595
NetR52_1: R42.1 U3.10 | length 17.9
  Top Layer w0.7: 167.375,47.92 165.925,47.92 U3.10@165.9,47.945 167.375,47.945 168,47.945 175.424,40.521 175.537,40.521 176.05,40.008 176.05,39.895 178.949,39.895
NetR52_2: R42.2 SP1.1 | length 9.3
  Top Layer w1.5: R42.2@189.35,39.895 191.85,37.395 SP1.1@191.85,31.595
NetR54_1: R1.1 U1.2 | length 3.2
  Top Layer w1: U1.2@117.2,12.635 117.27,12.565 120.23,12.565 R1.1@120.3,12.495
NetR54_2: R1.2 U1.1 | length 3.1
  Top Layer w1: U1.1@117.2,10.095 R1.2@120.3,10.095
NetR58_1: R38.1 Z5.1 | length 6
  Top Layer w0.4: Z5.1@156.648,29.995 156.648,31.393 158.95,33.695 R38.1@158.95,34.995
NetR59_1: R50.1 U3.15 | length 8.5
  Top Layer w0.7: U3.15@165.9,54.295 168.75,54.295 169.85,55.395 R50.1@173.9,55.395
NetR71_1: R39.1 Z6.1 | length 5.9
  Top Layer w0.4: Z6.1@164.648,29.995 164.648,31.548 166.879,33.779 166.879,34.824 R39.1@166.95,34.895
NetR72_1: R43.1 Z7.1 | length 32.4
  Top Layer w0.4: R43.1@148.65,43.395 148.65,42.295 149.745,41.2 165.145,41.2 172.648,33.697 Z7.1@172.648,29.995
NetR73_1: R45.1 Z8.1 | length 34.3
  Top Layer w0.4: R45.1@155.95,45.995 155.95,43.095 156.245,42.8 165.839,42.8 174.444,34.195 178.65,34.195 180.648,32.197 Z8.1@180.648,29.995
NetT2_1: T5.1 T6.2 | length 0
  Top Layer w1: T5.1@97,43.695 T5.1@97.025,43.72
NetT3_1: T2.1 T3.2 | length 3
  Top Layer w1: T2.1@97.24,29.995 100.2,29.995
OUT1: U3.6 U5.31 | length 44.8
  Top Layer w0.4: U5.31@131.78,68.02 150.768,68.02 152.65,66.138 152.65,52.195 155.625,49.22 U3.6@160.6,49.22
OUT2: U3.5 U5.34 | length 51.4
  Top Layer w0.4: U5.34@128.98,70.82 128.991,70.831 128.991,72.436 130.55,73.995 134.519,73.995 139.619,68.895 151.025,68.895 153.45,66.469 153.45,53.195 156.15,50.495 U3.5@160.6,50.495
OUT3: U3.4 U5.35 | length 51.6
  Top Layer w0.4: U5.35@128.191,71.47 128.191,72.874 130.113,74.795 134.85,74.795 139.95,69.695 151.356,69.695 154.25,66.801 154.25,54.095 156.6,51.745 U3.4@160.6,51.745
OUT4: U3.3 U5.36 | length 53.1
  Top Layer w0.4: U5.36@127.38,70.82 127.38,73.194 129.781,75.595 135.181,75.595 140.281,70.495 151.687,70.495 155.05,67.132 155.05,54.895 156.925,53.02 U3.3@160.6,53.02
POWER: C22.2 D19.2 R56.2 U5.59 | length 31.7
  Top Layer w0.4: C22.2@86.7,58.495 C22.2@86.8,58.595 88.45,58.595 89.5,59.645 D19.2@89.5,59.695 90.033,60.228 90.033,60.761 90.367,61.095 100.4,61.095 102,59.495 107,59.495 108.325,60.82 U5.59@115.78,60.82
POWER_KY: U5.46 U6.39 | length 106.2
  Top Layer w0.4: U6.39@33.975,65.141 33.975,63.62 37.1,60.495 49.416,60.495 49.65,60.729 49.65,72.495 50.55,73.395 84.15,73.395 86.95,76.195 117.95,76.195 119.38,74.765 U5.46@119.38,70.82
"Rel Alarm": D14.1 K1.4 R2.1 U3.11 | length 252
  Top Layer w0.7: v2(163.25,44.095) 163.25,48.495 163.975,49.22 U3.11@165.9,49.22
  Top Layer w1: K1.4@41.4,18.895 44.005,16.29 ; v9(44.1,3.895) 44.1,10.081 44.005,10.177 44.005,16.29 ; D14.1@48,27.795 48.114,27.681 48.114,25.881 50.6,23.395 50.6,17.595 49.295,16.29 44.005,16.29
  Top Layer w1.5: R2.1@102.5,12.995 v4(104.2,12.995)
  Bottom Layer w0.6: v9(44.1,3.895) 97.9,3.895
  Bottom Layer w0.7: 97.9,3.895 99.695,3.895 103.5,7.7 ; 104.2,8.2 104,8.2 103.5,7.7 ; v2(163.25,44.095) 163.25,35.995 164.45,34.795 180.45,34.795 189.55,25.695 189.55,9.395 187.855,7.7 103.5,7.7
  Bottom Layer w1.5: 104.2,8.2 v4(104.2,12.995)
REL-AJIR: U3.1 U5.38 | length 54.6
  Top Layer w0.4: U5.38@125.78,70.82 125.78,73.894 129.081,77.195 135.844,77.195 140.944,72.095 152.35,72.095 156.65,67.795 156.65,56.826 157.906,55.57 U3.1@160.6,55.57
REL-TEL: U3.2 U5.37 | length 53.8
  Top Layer w0.4: U5.37@126.58,70.82 126.58,73.525 129.45,76.395 135.513,76.395 140.613,71.295 152.019,71.295 155.85,67.464 155.85,55.895 157.45,54.295 U3.2@160.6,54.295
RESET: C17.1 P1.1 R55.2 U5.20 | length 19.6
  Top Layer w0.4: U5.20@131.78,59.22 134.975,59.22 136.703,57.492 137.308,57.492 137.805,56.995 R55.2@137.8,56.99 ; 137.65,54.895 v2(137.65,55.595) R55.2@137.65,56.995
  Bottom Layer w0.4: P1.1@131.5,47.595 131.5,49.445 v2(137.65,55.595)
RXD_SIM800: J6.1 U5.28 U6.2 | length 97.2
  Top Layer w0.4: U6.2@40.675,69.091 42.296,69.091 44.703,71.498 46.008,71.498 J6.1@46.105,71.595 ; v2(129.225,65.62) U5.28@131.78,65.62
  Bottom Layer w0.4: J6.1@46.15,72.195 124.305,72.195 124.7,71.8 124.7,67.726 126.806,65.62 v2(129.225,65.62)
SCK: P1.2 U5.11 | length 8.1
  Top Layer w0.4: U5.11@125.78,54.82 125.78,50.615 126.4,49.995 P1.2@126.4,46.995
SP1: JB1.7 R46.1 T4.2 T5.2 | length 52.5
  Top Layer w1.5: T5.2@94.76,43.695 94.779,43.714 94.779,46.616 95.658,47.495 R46.1@101.9,47.495
  Top Layer w2: JB1.7@89.93,13.295 89.93,17.565 88.8,18.695 88.8,32.023 89.972,33.195 93.2,33.195 94.76,34.755 T4.2@94.76,36.795 T5.2@94.76,43.695
  Bottom Layer w2: T4.2@94.76,36.795 T5.2@94.76,43.695
SP2: JB1.8 R2.2 T1.2 T2.2 | length 38.2
  Top Layer w1: JB1.8@94.93,13.295 95.23,12.995 R2.2@100.1,12.995
  Top Layer w2: T2.2@94.895,29.96 94.895,23.295 94.895,13.33 JB1.8@94.93,13.295
  Bottom Layer w2: T1.2@94.86,23.545 T2.2@94.86,29.745 ; T1.2@94.9,23.295 94.9,13.325 JB1.8@94.93,13.295
SP-in: U3.7 U5.30 | length 45.4
  Top Layer w0.4: U5.30@131.78,67.22 150.437,67.22 151.85,65.807 151.85,51.195 155.1,47.945 U3.7@160.6,47.945
SP-N-sim800: C29.2 U6.12 | length 115.9
  Top Layer w0.6: U6.12@40.675,80.091 42.709,80.091 46.9,75.9 83.3,75.9 87.395,79.995 136.2,79.995 138.205,82 147.7,82 148.85,80.85 C29.2@148.85,77.895
SP-P-sim800: C28.1 U6.11 | length 103.8
  Top Layer w0.6: U6.11@40.675,78.991 42.104,78.991 46.5,74.595 83.75,74.595 87.755,78.6 125.3,78.6 125.695,78.995 137.063,78.995 138.263,77.795 C28.1@140.35,77.795
SP-Test: T7.3 U5.4 | length 15.5
  Top Layer w0.4: T7.3@114.95,44.095 119.4,44.095 120.18,44.875 U5.4@120.18,54.82
SW_LRN: SW1.2 U5.48 | length 19.1
  Top Layer w0.4: v4(115.9,73.695) 115.912,73.695 117.78,71.827 U5.48@117.78,70.82
  Top Layer w1.5: SW1.2@110.45,83.695 v4(115.9,83.695)
  Bottom Layer w1.5: v4(115.9,73.695) v4(115.9,83.695)
T-LIN: OP1.4 T8.3 U5.39 | length 49.8
  Top Layer w0.4: U5.39@124.98,70.82 124.98,74.225 128.75,77.995 136.25,77.995 141.35,72.895 152.681,72.895 156.581,68.995 157.6,68.995 157.75,68.845 157.75,63.095 158.42,62.425 OP1.4@159.95,62.425
TEL1: D20.1 D21.2 J3.5 K2.2 | length 39.3
  Top Layer w1: K2.2@176.7,73.695 189.605,73.695 190.4,72.9 190.4,65.5 189.7,64.8 186.8,64.8 J3.5@186.6,65 183.1,65 180.295,62.195 D21.2@177.275,62.195 ; D20.1@177.3,58.995 177.288,59.007 177.288,62.157 D21.2@177.3,62.17
TEL2: D22.2 D23.1 J3.6 R69.1 | length 23.6
  Top Layer w0.7: R69.1@169.7,68.895 170.145,69.34 170.145,70.845 170.895,71.595 174.4,71.595 177,68.995 D23.1@177.15,68.995
  Top Layer w1: D23.1@177.15,68.995 181.595,68.995 182.6,70 J3.6@186.6,70 ; D23.1@177.175,68.525 177.175,65.32 D22.2@177.2,65.295
TEL-REL: D24.1 K2.7 U3.16 | length 29.1
  Top Layer w0.7: K2.7@159.1,73.695 162.15,73.695 163.7,72.145 163.7,56.2 164.305,55.595 U3.16@165.875,55.595
  Top Layer w2: D24.1@156,75.62 156,75.47 156.15,75.47 157.425,74.195 159.1,74.195 K2.7@159.1,73.695
  Bottom Layer w0.4: K2.7@159.1,73.695 159.1,73.762 159.839,74.501 K2.7@159.906,74.501
TXD_SIM800: J6.2 U5.27 U6.1 | length 98
  Top Layer w0.4: v2(127.6,63.695) 129.2,63.695 130.325,64.82 U5.27@131.78,64.82
  Top Layer w0.6: U6.1@40.675,67.991 43.096,67.991 44.2,69.095 J6.2@46.105,69.095
  Bottom Layer w0.4: J6.2@46.15,69.695 50.7,69.695 52.4,71.395 123.505,71.395 123.9,71 123.9,67.395 v2(127.6,63.695)
Z1: R33.1 U5.6 | length 17.8
  Top Layer w0.4: R33.1@121,37.295 121,39.415 121.78,40.195 U5.6@121.78,54.82
Z2: R22.1 U5.8 | length 25.2
  Top Layer w0.4: U5.8@123.38,54.82 123.38,41.965 129.85,35.495 R22.1@129.85,32.295
Z3: R24.1 U5.10 | length 31.3
  Top Layer w0.4: U5.10@124.98,54.82 124.98,43.865 128.025,40.82 134.025,40.82 137.85,36.995 R24.1@137.85,32.395
Z4: R25.1 U5.13 | length 35.3
  Top Layer w0.4: U5.13@127.38,54.82 127.38,51.315 128.9,49.795 128.9,43.945 130.05,42.795 138.905,42.795 145.301,36.399 145.301,33.795 145.301,32.895 145.801,32.395 R25.1@145.85,32.395
Z5: R26.1 U5.15 | length 37.5
  Top Layer w0.4: U5.15@128.98,54.82 128.98,53.015 137.5,44.495 139.636,44.495 146.931,37.2 153,37.2 153.7,36.5 153.7,32.545 R26.1@153.85,32.395
Z6: R27.1 U5.17 | length 45.3
  Top Layer w0.4: U5.17@131.78,56.82 131.791,56.808 133.136,56.808 133.55,56.395 133.55,50.732 138.187,46.095 140.299,46.095 147.594,38.8 158.545,38.8 161.85,35.495 R27.1@161.85,32.395
Z7: R28.1 U5.19 | length 54.1
  Top Layer w0.4: U5.19@131.78,58.42 134.155,58.42 135.4,57.175 135.4,51.145 138.85,47.695 140.962,47.695 148.257,40.4 164.814,40.4 169.85,35.364 R28.1@169.85,32.395
Z8: R29.1 U5.26 | length 72.5
  Top Layer w0.4: U5.26@131.78,64.02 136.244,64.02 137.844,65.62 149.774,65.62 150.25,65.144 150.25,44.595 152.845,42 165.508,42 175.113,32.395 R29.1@177.85,32.395
pads on no net: E2.2 K2.3 K2.6 SIM_CARD1.5 U1.8 U2. U5.1 U5.32 U5.33 U5.40 U5.42 U5.43 U5.44 U5.45 U5.61 U6.4 U6.5 U6.6 U6.7 U6.9 U6.10 U6.14 U6.22 U6.23 U6.24 U6.25 U6.26 U6.28 U6.29 U6.38 U6.40 U6.42 U7.2 U7.3 U7.4 U7.7
copper on no net:
  other v7: 82.265,81.745 74.265,90.745

## Polygon pours and split planes (outlines as drawn)
GND on Top Layer "NONET_L-01_P-001" (solid, pour order 1): 28.105,80.395 28.105,67.72 37.105,67.72 37.105,76.695 31.005,76.695 31.005,80.395
GND on Bottom Layer "GND_L02_P002" (solid, remove dead copper, pour order 2): 188.55,0.795 188.55,71.295 41.705,71.295 41.705,83.795 0.705,83.795 0.705,0.795

## Keep-outs
Keep-Out Layer:
  the board outline again, w0.3

## Other copper
Top Layer:
  rectangle net 4.1V: 23.305,55.595 30.405,56.995
  rectangle net GND: 1.305,48.895 13.505,79.395
  region net +AUX: 69.005,35.995 69.005,20.695 73.405,16.295 73.405,13.295 76.405,13.295 76.405,35.995
  region net +BAT: 55.4,24.5 63.305,16.595 63.305,12.395 66.305,12.395 66.305,22.695 61.705,27.295 61.705,35.995 55.4,35.995
  region net 4.1V-J1: 29.905,58.195 29.905,63.695 27.805,63.695 27.805,58.195
  region net 4.1V-J2: 126,59.895 126,65.095 121.305,65.095 121.305,59.895
  region net 4.1V-J2: 110.705,52.895 112.205,54.395 112.605,54.395 112.605,52.895
  region net AC1: 0.805,11.772 0.805,12.262 6.707,12.262 6.707,9.234 0.846,9.234 0.846,9.61
  region net AC1: 1.905,0.595 1.905,0.571 21.505,0.571 21.505,5.995 21.505,6.595 17.605,6.595 17.605,3.783 5.593,3.783 5.593,11.772 0.805,11.772 0.805,0.595
  region net AC1: 5.556,11.774 5.556,1.047 1.328,1.047 1.328,11.77
  region net AC2: 21.405,13.295 8.168,13.295 8.168,5.583 12.505,5.583 12.505,8.795 21.517,8.795
  region net GND: 21.005,50.695 23.455,48.245 46.405,48.245 46.405,55.645 36.655,55.645 34.205,53.195 21.005,53.195
  region net GND: 18.945,66.505 18.945,67.695 22.505,67.695 22.505,62.995 12.705,62.995 12.705,66.495
  region net GND: 12.505,79.395 22.505,79.395 22.505,70.395 18.805,70.395 18.105,71.095 12.505,71.095
  region net GND: 31.605,62.595 33.705,62.595 33.705,59.395 31.605,59.395
  region net GND: 1.4,16.495 1.4,20.695 20.305,20.695 20.305,24.095 30.9,24.095 30.9,16.495
  region net GND: 37.255,83.82 38.53,83.82 38.53,83.02 37.555,82.045 37.255,82.045
  region net GND: 161.9,46.895 161.9,45.095 159.3,45.095 159.3,46.895
  region net GND: 46.7,36.42 46.7,32.17 51.9,32.17 51.9,36.42
  region net NetT3_1: 96.6,27.195 109.7,27.195 109.7,31.095 108.4,31.095 108.4,28.795 101.6,28.795 101.6,31.995 96.6,31.995
  region net NetR37_2: 107.1,31.095 104.4,31.095 104.4,29.495 107.1,29.495
  region net NetR24_1: 109.7,31.995 109.7,38.995 106.3,38.995 106.3,31.995
  region net NetT2_1: 96.5,40.795 104.9,40.795 104.9,43.095 105.5,43.095 105.5,45.595 96.5,45.595
  region net NetR24_2: 96.5,33.895 103.9,33.895 103.9,38.995 96.5,38.995
  region net NetR31_2: 96.7,20.295 103.8,20.295 103.8,25.195 96.7,25.195
  region net SP2: 93.4,11.495 93.4,20.995 93.9,21.495 93.9,31.295 95.9,31.295 95.9,19.195 96.4,18.695 96.4,11.495
  region net SP1: 91.7,11.495 91.7,18.395 90.3,19.795 90.3,32.195 94.8,32.195 95.7,33.095 95.7,46.295 93.8,46.295 93.8,34.595 93.5,34.295 88.4,34.295 87.7,33.595 87.7,15.895 87.7,11.495
  region net 19V-AJIR: 83.3,11.495 83.3,37.495 84.5,38.695 93,38.695 93,35.495 86.5,35.495 86.5,11.495
  region net 13.6V: 73.5,40.295 73.5,46.795 29.319,46.795 29.319,44.49 38.423,40.295
  region net 19V: 38.956,28.395 12.1,28.395 12.1,25.195 33.7,25.195 33.7,22.595 38.854,22.595
  region net 13.6V: 23.805,44.595 19.005,44.595 18.805,44.795 18.805,47.195 18.405,47.595 15.705,47.595 15.705,53.695 15.905,53.895 19.705,53.895 19.905,53.695 19.905,50.295 24.005,46.195
  region net 19V: 17.355,32.895 17.555,32.695 17.555,29.795 28,29.795 32.4,25.395 12.055,25.395 12.055,32.895
  region net 13.6V: 12.855,44.295 12.055,43.495 12.055,36.195 17.655,36.195 17.755,36.295 17.755,38.395 27.3,38.395 31.5,42.595 34.1,42.595 34.1,44.295
  pour cut-out: 28.802,81.52 30.366,81.52 30.366,86.545 28.794,86.545
  pour cut-out: 84.505,91.595 84.505,80.995 72.105,80.995 72.105,91.595
Bottom Layer:
  pour cut-out: 50.7,12.595 49.8,11.695 38.8,11.695 36.3,9.195 36.3,0.295 60.4,0.295 61.1,0.995 61.1,12.595
  region net +AUX: 193.5,12.8 193.5,2.2 191.9,0.6 36.7,0.6 36.7,2.4 100.2,2.4 104.1,6.3 190.5,6.3 190.5,12.8
  pour cut-out: 109.58,12.635 109.58,0.3 198.7,0.3 198.7,12.635
  pour cut-out: 162.05,71.995 162.05,32.395 189.25,32.395 189.25,71.995
  region net SP2: 96.4,21.295 95.9,21.295 95.9,31.295 93.9,31.295 93.9,21.295 93.4,21.295 93.4,10.795 96.4,10.795
  pour cut-out: 24.005,84.965 24.005,79.395 1.005,79.395 1.005,85.242
  pour cut-out: 97.4,13.359 97.4,4.495 60,4.495 60,13.259
  pour cut-out: 10.805,39.295 10.805,29.695 16.405,29.695 16.405,39.295
  pour cut-out: 41.13,66.845 78.105,66.845 77.805,83.995 41.13,83.995
Multi-Layer:
  pour cut-out: 0.905,97.266 0.905,83.82 54.405,83.82 54.405,97.224

## Silkscreen, mask and mechanical layers (free items; w line width, h text height)
Top Overlay:
  lines w0.2: 46.505,97.495 46.505,93.995 56.505,93.995 56.505,97.495 ; 113.505,97.495 113.505,93.995 123.505,93.995 123.505,97.495
  text "SMART ALARM  GZ8.6.0-40311" at 92.505,89.964 h3
  text "15Vac" at 0.606,8.501 h2 r270

## Text inside footprints (layer, text, board x,y; h text height)
J1: Top Overlay "-" at 186.223,4.518 h2; Top Overlay "+" at 191.303,4.486 h2; Top Overlay "AUX" at 186.504,0.957 h2; Top Overlay "Z8" at 183.256,1.646 h2.6 r90; Top Overlay "Z7" at 173.223,1.9 h2.6 r90; Top Overlay "Z6" at 168.2,1.995 h2.6 r90
J2: Top Overlay "Z5" at 157.026,1.895 h2.6 r90; Top Overlay "Z4" at 152.2,1.895 h2.6 r90; Top Overlay "Z3" at 142.1,1.895 h2.6 r90; Top Overlay "Z2" at 136.9,1.895 h2.6 r90; Top Overlay "Z1" at 127,2.095 h2.6 r90
J3: Top Overlay "TEL" at 197.5,63.6 h3 r90; Top Overlay "4" at 199.1,59 h2.6 r90; Top Overlay "2" at 199.1,49.2 h2.6 r90; Top Overlay "3" at 199.1,54.3 h2.6 r90; Top Overlay "1" at 199.1,44.5 h2.6 r90; Top Overlay "OUT" at 194.8,49 h2.4 r90
JB1: Top Overlay "- +" at 59.63,5.057 h2; Top Overlay "- +" at 69.63,5.057 h2; Top Overlay "BAT" at 58.88,1.057 h2.6; Top Overlay "SP" at 90.38,2.057 h2.6; Top Overlay "AUX" at 68.63,1.057 h2.6; Top Overlay "SIR" at 79.63,1.057 h2.6; Top Overlay "- +" at 79.38,5.057 h2
SIM_CARD1: Top Overlay "SIM" at 60.105,80.195 h5